# KiCad board Entrex Trapezoid Processor Board v37.kicad_pcb (continued)
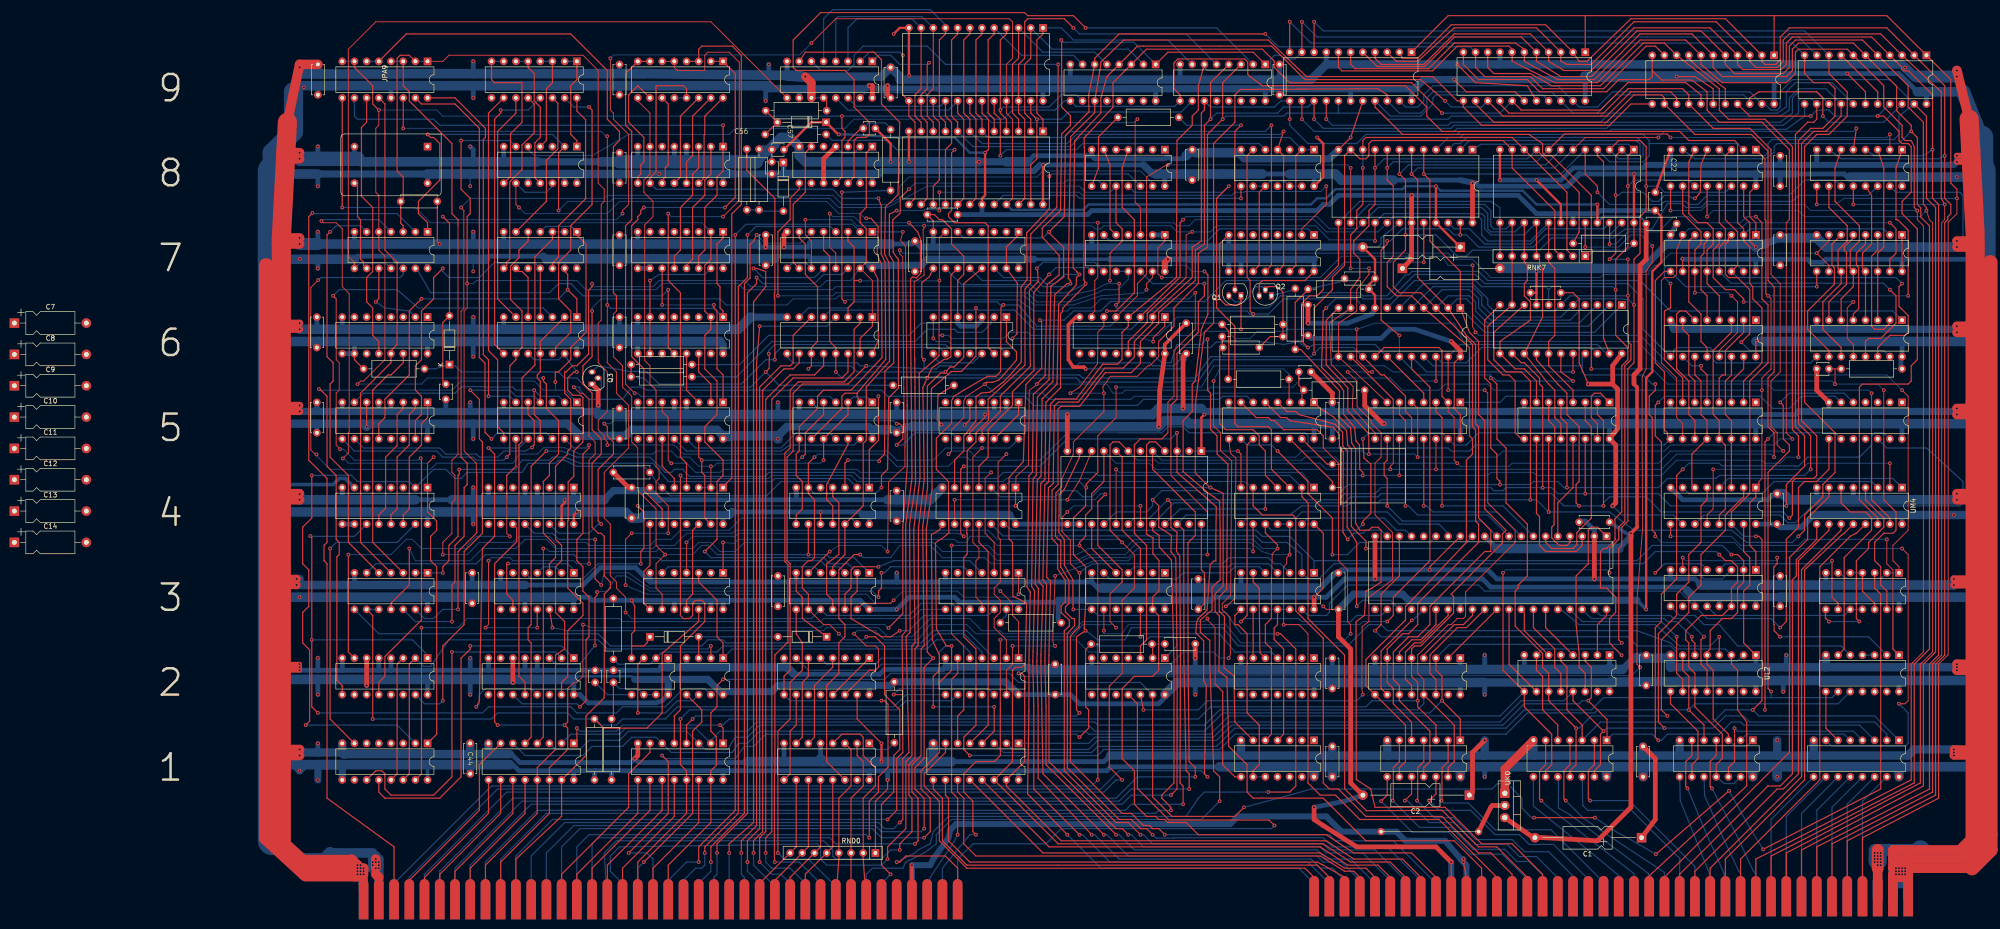
[diagram p0: board, top side]
## Routing (per net, layer and track width the routed paths; a pad name or vN(x,y) marks a point on that pad's centre or on a via; arc(x,y) is an arc through that point) (continued)
VCC: length 4082.9
  Top w0.25: v1(270.9,68.26) 272.81,70.17 272.81,81.6 UH4.14 ; UK9.17 312.81,173.67 302.65,173.67 v1(300.12,176.21) ; R3.1 253.12,113.86 253.12,123.76 R8.1 ; UL7.1 362.98,146.37 361.71,147.64 361.71,152.72 UL8.16 ; RND0.1 179.47,25.72 182,28.26 v1(182,30.16) ; 128.66,58.1 131.21,58.1 131.84,58.74 CR3.1 ; 128.66,58.1 128.66,60.63 129.3,61.28 129.3,66.36 v1(128.66,67.63) ; 128.66,58.1 UC2A1.4 ; UM9.17 385.84,173.67 v1(382.03,177.48) ; v1(346.47,176.85) 350.28,176.85 354.09,174.31 UL9.17 ; 259.48,131.13 259.48,133.67 260.11,134.3 269,134.3 270.9,136.21 ; v1(363.22,121.83) 362.98,121.58 362.98,118.43 ; UE5.5 199.15,105.27 v1(198.07,104.18) ; UJ5.16 301.38,106.36 300.12,107.63 300.12,117.16 UJ6.22 ; R25.2 194.75,111.83 192.52,110.43 192.35,105.23 193.22,104.36 v1(193.22,104.25) ; UD4.10 v1(168.03,86.04) ; C61.2 324.88,131.76 326.15,130.49 326.15,117.16 v1(328.06,112.71) ; UK8.24 R13.2 ; R24.1 70.88,117.79 UA6.10 ; 347.74,136.21 347.74,138.82 v1(347.68,138.88) ; UD7.16 179.96,134.66 180.06,121.79 UD6.16 ; UA5.6 v1(73.42,103.82) ; C39.2 248.05,66.99 248.05,73.34 247.41,73.98 UF4.24 ; UM7.1 393.46,136.21
  Top w0.5: v1(117.24,86.04) 116.6,85.41 UB4.16 ; v1(271.54,164.15) 272.81,162.88 272.81,155.89 UH8.14 ; v1(214.39,158.43) UE8.24 ; UK8.24 v1(337.58,156.53)
  Top w0.75: UF6.16 239.79,120.97 C52.1
  Top w1: 333.13,112.71 334.16,111.68 334.14,103.4 UK5.16 333.77,100.01 333.77,87.95 v1(333.13,87.31) ; 333.13,112.71 333.13,116.52 UK6.22 ; 333.13,112.71 v1(328.06,112.71) ; C19.2 182,173.04 v1(182,174.94) ; v1(270.9,68.26) UH3.14 ; v1(178.19,174.94) 178.83,174.94 UD9.16 ; v1(103.9,50.48) UB2.6 ; v1(285.51,104.46) 285.22,104.46 281.45,108.23 R2.2 ; UD8.4 168.67,159.7 UD8.10 ; v1(73.42,49.85) UA2.6 ; UJ8.24 v1(303.93,154.62) ; v1(238.52,103.82) 238.74,111.44 239.8,118.97 ; v1(299.48,121.6) 301.38,119.7 UJ6.22 ; v1(283.61,72.07) UK3.20
  Top w1.25: v1(240.43,138.75) 239.79,138.11 239.79,136.21
  Top w2: v1(75.33,11.75) v1(75.33,13.65) ; J18.75 v1(388.38,12.38) ; 75.33,10.48 75.96,9.84
  Top w2.5: 388.38,11.75 388.38,15.56
  Bottom w0.25: 208.68,84.14 UE4.14 ; 213.75,158.43 v1(214.39,158.43) ; 95.65,138.75 v1(95.65,136.21) ; 128.66,51.78 128.66,51.75 ; R8.1 251.47,125.41 C52.1 ; 158.96,139.38 158.41,138.84 ; 160.29,156.65 160.41,156.53 ; 63.05,121.39 63.26,121.6 ; 59.45,174.94 96.91,174.94 ; 63.05,104.04 62.62,104.46 ; UD8.4 172.53,160.92 174.96,160.92 UD8.2 ; 126.76,86.04 127.4,86.04 ; v1(333.13,87.31) 335.04,85.41 345.83,85.41 UL4.10 ; 408.7,155.89 409.97,157.16 ; 95.43,68.05 95.65,68.26 ; 322.98,153.99 323.61,153.99 ; 382.03,155.89 382.67,155.89 ; 98.19,138.75 98.82,139.38 ; 237.25,156.53 237.88,156.53 ; 264.98,174.31 265.19,174.31 ; 71.52,139.38 70.88,138.75 ; 393.21,118.17 393.46,118.43 ; 362.96,104.44 362.98,104.46 ; RNK7.1 327.51,139.47 328.14,139.47 329.32,140.65 336.18,140.65 R13.2 ; 154.6,138.84 154.7,138.75 156.6,138.75 C50.2 ; 53.73,157.16 53.73,160.34 ; 95.01,156.53 v1(95.01,153.99) ; v1(306.46,47.94) 306.46,48.58
  Bottom w0.5: 128.66,51.75 129.3,51.12 ; 128.66,51.78 128.64,51.75 117.24,51.75 116.6,51.12
  Bottom w0.75: UA4.7 68.97,93.03 67.7,93.03 66.44,91.76 53.73,91.76 ; UA1.16 86.12,32.7 ; 274.04,50.48 274.04,49.89 ; 228.36,138.75 212.49,138.75
  Bottom w1: 95.01,51.12 v1(95.01,47.94) ; 338.85,50.6 339.36,50.6 C43.2 ; 63.26,156.53 v1(63.26,153.99) ; v1(299.48,121.6) 291.86,124.14 286.78,124.14 284.88,122.24 270.27,122.24 C60.2 ; 362.98,138.75 347.74,138.75 ; 362.98,138.75 368.06,138.75 ; 362.98,138.75 362.98,136.21 ; 137.56,67.63 UC3.10 ; 137.56,67.63 145.18,67.63 ; 137.56,67.63 v1(128.66,67.63) 124.85,67.63 ; UL4.16 C36.2 ; C27.2 368.06,138.75 ; 368.06,138.75 373.77,138.75 374.41,138.11 376.95,138.11 377.58,138.75 409.97,138.75 ; 63.26,138.75 v1(63.26,136.84) ; UA7.14 86.12,138.75 ; 235.35,158.43 v1(214.39,158.43) ; UC7.9 UC7.10 132.47,138.75 131.21,138.75 131.11,138.84 ; 393.46,118.43 393.46,121.6 ; 322.98,153.99 305.19,153.99 304.56,154.62 ; 124.85,67.63 120.41,67.63 119.78,68.26 116.6,68.26 UB3.14 ; 124.85,67.63 R5.1 ; UM4.16 393.46,85.41 ; C34.2 183.91,85.41 ; UD2.16 178.19,49.99 178.31,49.88 ; UM8.16 393.46,155.89 ; 149.62,101.92 148.99,101.28 UC5.16 ; 326.79,176.21 327.42,176.85 UK9.22 ; 239.79,67.63 UF3.14 ; 245.5,155.26 245.5,156.53 ; 136.28,51.12 136.28,51.11 ; 63.26,51.12 v1(63.26,47.94) ; 209.31,67.22 UE3.14 ; 209.31,67.22 217.16,67.22 217.56,67.63 217.56,63.56 R27.2 ; 209.31,67.22 199.15,67.22 ; 291.86,174.31 291.23,173.67 UJ9.22 ; 209.31,32.07 227.73,32.07 228.55,32.89 251.22,32.89 ; 209.31,32.07 182,32.07 ; 209.31,32.07 UE1.16 ; UC8.16 147.72,156.53 ; 73.42,51.12 v1(73.42,49.85) ; 278.52,171.77 278.52,174.31 ; v1(306.46,47.94) 306.46,48.89 ; 368.06,68.26 C40.2 ; 393.46,136.21 393.46,138.75 ; 362.98,68.26 UL3.16 ; R6.2 124.47,31.69 124.85,32.07 ; 147.72,67.63 159.15,67.63 ; 147.72,67.63 UC3.14 ; 147.72,67.63 145.18,67.63 ; 159.15,67.63 176.29,67.63 UD3.14 v1(183.91,65.72) 186.45,68.26 195.97,68.26 197.01,67.22 199.15,67.22 ; 159.15,67.63 C38.2 ; C18.2 126.12,174.94 ; 371.24,156.53 381.39,156.53 382.03,155.89 ; 237.88,174.31 UF9.16 ; 182,32.07 v1(182,30.16) ; 182,32.07 178.19,32.07 ; v1(368.69,48.58) 368.69,50.9 ; 145.18,67.63 UC3.13 ; 178.19,32.07 UD1.16 ; 178.19,32.07 147.72,32.07 ; 199.15,67.22 UE3.10 ; 147.72,32.07 UC1.16 ; 147.72,32.07 124.85,32.07 ; C29.2 126.12,121.6 124.22,121.6 ; UA3.14 86.12,68.26 ; UA5.16 86.12,104.46 ; UL5.16 362.96,104.44 ; 156.6,174.31 v1(156.6,171.77) ; UB8.14 117.24,156.53 ; 263.7,173.04 264.98,174.31 ; 246.14,50.48 v1(246.14,47.94) ; 116.6,32.07 105.17,32.07 103.9,33.34 ; 116.6,32.07 UB1.16 ; 116.6,32.07 121.04,32.07 ; UM2.14 392.82,50.9 ; 253.12,136.21 253.12,138.75 ; 110.25,139.38 98.82,139.38 ; 86.12,51.12 UA2.16 ; UH9.16 260.75,174.31 260.11,174.31 ; 124.85,32.07 121.04,32.07 ; UB7.14 117.24,138.75 ; UM9.22 398.54,173.67 ; UD4.14 178.19,85.41 ; 121.04,32.07 120.92,31.94 R4.2 ; UB3.10 106.44,68.26 ; UA6.16 86.12,121.6 ; 306.46,48.58 306.46,50.48 ; XA8.14 86.12,156.53 ; 349.64,156.53 v1(337.58,156.53) 326.15,156.53 ; UJ5.16 301.38,104.46 ; UB8.13 114.69,156.53 ; UF8.14 239.79,156.53 ; C23.2 368.06,156.53 ; UM5.14 393.46,104.46 ; 246.77,67.63 C39.2 ; UL2.16 362.98,50.84 ; 239.79,47.31 238.52,46.04 222.01,46.04 220.11,47.94 C41.2 UE2.14 ; 366.79,176.85 UL9.22 ; 95.65,104.46 v1(95.65,101.28) ; 103.9,51.12 v1(103.9,50.48) ; UD8.14 178.83,156.53 ; UC7.16 147.72,138.84 ; 392.82,68.26 UM3.14 ; UA6.9 UA6.10 70.88,121.6 ; 369.33,176.85 369.96,177.48 v1(382.03,177.48) 392.82,177.48 396.63,173.67 ; C30.2 126.76,101.92 ; UE7.16 209.31,138.75 ; C48.2 274.71,104.46 ; 177.6,174.35 176.97,174.35 ; CR4.1 160.29,156.65 ; 95.65,86.04 v1(95.65,83.5) ; UC4.14 147.72,85.41 ; UB6.14 117.24,121.6 ; 79.77,138.75 79.14,139.38 71.52,139.38 ; 332.5,50.54 UK2.16 ; C28.2 63.05,121.39 ; 181.41,174.35 v1(182,174.94) 182.59,174.35 ; 207.41,85.41 208.68,84.14 ; 348.19,70.36 307.74,70.36 306.02,72.07 v1(283.61,72.07) 277.25,72.07 273.44,68.26 v1(270.9,68.26) 249.95,68.26 249.31,67.63 ; UD9.10 163.59,174.31 ; 158.96,139.38 165.5,139.38 166.13,138.75 ; UD7.16 176.93,138.75 ; UD5.14 178.83,103.19 ; 266.46,174.31 265.19,174.31 ; C49.2 63.05,104.04 ; UC6.9 129.94,121.6 ; 178.78,174.35 v1(178.19,174.94) ; UH5.16 270.9,104.46 ; UL8.16 362.98,156.53 ; UE4.14 UF4.13 UF4.14 ; C37.2 95.43,68.05 ; 116.6,51.12 UB2.16 117.87,47.94 119.59,46.23 133.75,46.23 135.01,46.67 UC2A1.8 ; 301.38,50.48 UJ2.16 ; 187.72,136.21 187.72,137.48 ; 95.65,174.94 v1(95.65,172.4) ; UB8.10 107.07,156.53 ; 270.9,136.21 270.9,138.75 ; UH8.14 270.9,156.53 ; 214.39,174.31 UE9.24 ; 255.67,136.21 255.67,138.75 ; 149.62,86.04 v1(168.03,86.04) 176.29,86.04 176.93,85.41 ; 287.42,155.26 301.38,155.26 ; C20.2 126.12,156.53 ; UK5.16 332.5,104.46 ; 393.21,116.27 393.21,118.17 ; UD8.13 176.29,156.53 ; C17.2 63.26,174.94 ; 270.9,50.48 UH2.14 ; UD8.10 168.67,156.53 ; UA4.16 86.12,86.04 ; JPA9.13 78.5,174.94 ; 95.65,121.6 v1(95.65,118.43) ; 274.04,49.89 C42.2 ; 355.36,68.26 UL3.13 ; 260.11,156.53 265.82,156.53 ; 306.46,32.89 v1(306.46,30.8)
  Bottom w1.25: C36.2 368.06,82.87 372.5,82.87 375.05,85.41 ; 244.87,138.75 v1(240.43,138.75) 228.36,138.75 ; 192.75,174.35 182.59,174.35 ; 213.75,158.43 212.49,157.16 180.74,157.16 180.1,156.53 ; 301.38,155.26 304.56,154.62 ; 157.24,174.94 156.6,174.31 ; 181.41,174.35 178.78,174.35 ; v1(178.19,174.94) 177.6,174.35 ; 323.61,153.99 326.15,156.53
  Bottom w1.5: 129.3,51.12 144.54,51.12 146.76,48.89 ; 235.35,158.43 237.25,156.53 ; 178.83,103.19 178.19,103.82 161.05,103.82 ; 136.28,51.11 UC2A1.8 ; 178.31,49.88 182.67,49.88 R12.1 206.64,50.61 UE2.14 ; 217.56,67.63 249.31,67.63 ; 270.9,138.75 244.87,138.75 ; UC6.16 147.72,120.97 147.08,121.6 ; 55.96,33.34 59.13,33.34 ; 166.13,138.75 176.93,138.75 ; 212.49,138.75 190.26,138.75 188.99,137.48 178.19,137.48 ; 176.93,174.31 156.6,174.31 ; 60.08,32.7 v1(59.45,32.07) 58.81,32.7 ; 349.64,156.53 371.24,156.53 ; 146.76,48.89 147.08,48.58 157.88,48.58 159.15,49.85 160.56,49.99 178.19,49.99 ; 146.76,48.89 UC2B1.8 ; 95.01,32.77 C44.2 ; 260.75,174.31 291.86,174.31 293.76,176.21 v1(300.12,176.21) 326.79,176.21 ; 192.8,174.31 260.11,174.31 ; 160.41,156.53 C57.2 149.62,156.53 ; 63.26,32.7 v1(63.26,30.16) ; 110.25,139.38 110.88,138.75 ; 68.34,32.7 UA1.9 ; 182.64,103.19 183.28,103.19 C31.2 184.54,103.19 185.18,103.19 185.81,103.82 187.09,103.82 ; 86.12,156.53 63.26,156.53
  Bottom w1.75: 100.09,156.53 v1(134.38,156.53) 149.62,156.53 ; 160.41,156.53 180.1,156.53 ; 117.87,101.92 117.24,101.92 ; 117.87,101.92 115.33,104.46 74.06,104.46 v1(73.42,103.82) 72.78,104.46 53.73,104.46 ; 117.87,101.92 127.4,101.92 128.66,103.19 146.44,103.19 147.72,101.92 UC5.16 ; 149.62,86.04 148.99,85.41 131.21,85.41 130.57,84.77 ; 375.05,85.41 v1(404.25,85.41) 409.97,85.41 ; 332.5,50.54 326.79,50.48 306.46,50.48 ; 368.06,68.26 350.07,68.26 348.59,69.75 ; 161.05,103.82 159.15,101.92 ; 176.93,85.41 207.41,85.41
  Bottom w2: 70.88,138.75 53.73,138.75 ; 53.73,86.04 v1(117.24,86.04) 126.76,86.04 ; 98.19,138.75 79.77,138.75 ; 362.35,32.89 UL1.14 ; 362.35,32.89 367.43,32.89 ; 362.35,32.89 339.49,32.89 ; 116.6,51.12 53.73,51.12 ; 306.46,50.48 242.33,50.48 UF2.14 ; 408.7,155.89 v1(404.89,155.89) 382.67,155.89 ; 367.43,32.89 v1(367.43,30.8) 367.43,31.43 ; 367.43,32.89 392.82,32.89 ; 116.6,68.26 v1(59.45,68.26) 53.73,68.26 ; 406.16,173.67 396.63,173.67 ; 331.87,32.89 UK1.14 ; 331.87,32.89 339.49,32.89 ; 331.87,32.89 301.38,32.89 ; 392.82,32.89 UM1.16 ; 392.82,32.89 410.16,32.89 ; 301.38,32.89 UJ1.14 ; 301.38,32.89 274.71,32.89 ; 265.82,156.53 275.35,156.53 276.62,155.26 287.42,155.26 ; 237.88,156.53 260.11,156.53 ; 182.64,103.19 178.83,103.19 ; 153.43,138.84 129.3,138.84 ; 153.43,138.84 154.6,138.84 ; 153.43,138.84 158.41,138.84 ; J17.3 v1(75.96,13.02) ; 251.22,32.89 270.9,32.89 ; 270.9,32.89 UH1.14 ; 270.9,32.89 274.71,32.89 ; 74.69,14.92 65.8,14.92 ; 86.12,156.53 100.09,156.53 ; 339.49,32.89 C46.2 ; 368.06,68.26 409.97,68.26 ; 129.3,138.84 131.11,138.84 ; 129.3,138.84 115.43,138.84 115.33,138.75 110.88,138.75 ; 409.97,121.6 362.98,121.6 ; 74.69,11.75 v1(74.69,12.38) ; 53.73,121.6 147.08,121.6 ; 274.71,32.89 C45.2 ; 187.09,103.82 187.14,103.88 199.73,103.88 199.78,103.82 v1(238.52,103.82) 239.79,105.09 244.24,105.09 244.87,104.46 v1(285.51,104.46) 409.97,104.46 ; 130.57,84.77 C33.2 127.4,86.04 ; 63.26,156.53 54.37,156.53 ; 75.33,14.29 v1(75.33,13.65) 74.69,13.65 v1(74.69,13.02) v1(75.33,13.02) 75.96,13.65 ; v1(159.15,101.28) 159.15,101.92 147.72,101.92 ; J18.75 v1(388.38,12.38) ; 58.18,173.67 59.45,174.94 157.24,174.94 ; 63.26,33.34 68.34,33.34 ; 75.33,12.38 v1(75.96,12.38) ; 52.47,33.34 86.12,33.34 ; 86.09,33.34 103.26,33.34 ; 332.5,50.54 362.98,50.84 368.69,50.9 409.97,50.9
  Bottom w2.25: 327.42,176.85 v1(346.47,176.85) 369.33,176.85
  Bottom w2.5: v1(387.75,13.02) v1(387.75,13.65) v1(387.75,14.29) ; 65.8,14.92 64.53,13.65 57.55,13.65 53.73,17.46 ; 389.01,15.56 397.27,15.56 ; v1(389.01,14.29) v1(388.38,14.29) v1(388.38,13.65) ; v1(389.01,13.02) v1(389.01,13.65) ; v1(387.75,14.92) 387.75,15.56
  Bottom w3: 409.97,164.15 406.16,173.67
  Bottom w4: 58.18,173.67 58.18,165.37 53.73,160.92 53.73,157.16 ; 397.27,15.56 399.18,13.65 405.52,13.65 409.97,18.1
  Bottom w5: 409.97,157.16 409.97,164.15
  Bottom w6: 53.73,17.46 53.73,157.16 ; 409.97,157.16 409.97,18.1
  vias: v1(59.49,138.82) v1(60.34,174.58) v1(75.96,11.75) v1(388.38,14.92) v1(388.38,13.02) v1(389.01,14.92) v1(389.01,12.38)
VDD: length 553.5
  Top w0.2: C32.2 273.44,65.72 v1(272.81,66.36) ; UH5.9 253.49,98.27 254.6,97.3 254.42,68.06 252.71,66.36 v1(252.49,66.36)
  Top w0.25: J18.19 v1(299.48,13.02) ; UE9.19 201.69,169.23 203.05,167.87 203.05,161.61 202.96,161.61 v1(202.32,160.97)
  Top w0.5: UE8.19 201.69,151.45 202.32,152.08 v1(202.32,160.97) ; v1(171.84,164.78) 171.72,164.78 CR6.1 166.13,167.32 C56.2 ; C22.2 343.3,147.64 343.3,138.11 341.39,136.21 341.39,115.25 340.12,113.98 v1(340.12,65.72)
  Top w1: C32.2 275.99,60.01 278.52,57.47 278.52,29.53 C2.2 ; v1(291.23,152.08) UJ8.19 291.23,138.75 C16.1 ; v1(270.9,24.45) 270.9,21.91 272.81,20.64 279.8,16.19 296.31,16.19 v1(299.48,13.02)
  Bottom w0.2: v1(252.49,66.36) 253.12,66.99 272.18,66.99 v1(272.81,66.36)
  Bottom w0.5: v1(171.84,164.78) 173.75,164.78 184.54,164.15 195.97,164.15 199.15,160.97 v1(202.32,160.97)
  Bottom w0.75: 338.21,67.63 v1(340.12,65.72)
  Bottom w1: 324.88,148.27 317.26,148.27 313.45,152.08 v1(291.23,152.08) 275.99,152.08 274.08,150.18 272.81,150.18 271.54,148.91 224.55,148.91 223.7,148.06 201.69,148.06 ; 324.88,148.27 329.96,148.27 330.6,148.91 C22.2 ; 324.88,148.27 UK8.19 ; C47.2 201.69,148.06 ; 201.69,148.06 UE8.19 ; v1(270.9,24.45) 277.25,25.72 C2.2 ; UK3.28 301.38,67.63
  Bottom w1.25: v1(299.48,13.02) J18.19
  Bottom w1.5: 338.21,67.63 290.59,67.63 289.32,68.9 279.16,68.9 C32.2
(no net):
  vias: v1(72.15,10.48) v1(180.1,151.45) v1(302.02,13.02)
8080-INT: length 46.7
  Bottom w0.25: UH4.8 256.94,84.77 267.1,84.77 268.37,86.04 286.14,86.04 288.69,83.5 296.94,83.5 298.85,81.6 UK3.14
/CR4_2: length 7.7
  Bottom w0.25: CR4.2 155.46,148.78 R20.2 R21.2
/Three-Resistors: length 7
  Top w0.25: R19.1 CR6.2 R18.1
/UC5_11: length 11.2
  Top w0.25: UC4.5 137.56,93.03 135.01,95.57 UC5.11
D0: length 40
  Top w0.25: UJ5.10 286.14,96.84 285.51,96.2 285.51,93.66 286.14,93.03 v1(286.14,87.31)
  Bottom w0.25: UK3.10 305.83,84.14 289.32,84.14 v1(286.14,87.31)
D1: length 46.3
  Top w0.25: UJ5.6 288.69,106.36 289.95,105.09 v1(289.95,87.31)
  Bottom w0.25: UK3.9 307.1,85.41 292.5,85.41 290.59,87.31 v1(289.95,87.31)
D2: length 36.9
  Top w0.25: v1(293.76,87.31) UJ5.13
  Bottom w0.25: v1(293.76,87.31) 294.4,87.31 295.67,86.04 309,86.04 314.08,80.96
D3: length 43.8
  Top w0.25: 297.36,87.37 297.57,87.59 297.57,105.73 296.31,107 UJ5.3
  Bottom w0.25: v1(297.57,87.31) 310.27,87.31 UK3.7
D4: length 34.3
  Top w0.25: UK5.10 317.26,85.72 317.89,85.09 317.89,79.06 319.17,77.79 325.51,77.79 326.79,79.06 UK3.3
D5: length 35
  Top w0.25: UK3.4 324.25,79.69 323.61,79.06 322.02,79.06 320.44,80.64 320.44,82.87 320.93,83.36 321.07,101.75 321.07,103.82 319.8,105.09 UK5.6
D6: length 21.6
  Top w0.25: UK3.5 321.7,87.95 324.88,91.12 UK5.13
D7: length 40.1
  Top w0.25: UK5.3 327.42,105.09 328.69,103.82 328.69,84.77 325.66,81.74 325.66,79.2 324.88,78.42 320.44,78.42 319.17,79.69 UK3.6
E6_2: length 69
  Bottom w0.25: R23.2 150.51,114.24 157.88,121.6 187.72,121.6 190.26,124.14 195.97,124.14 196.61,123.51 201.69,123.51 203.59,125.41 203.59,126.05 UE6.2
E6_6: length 56.9
  Bottom w0.25: R22.2 151.14,116.78 157.24,122.87 186.45,122.87 188.99,125.41 192.8,125.41 UE6.6
E6_9: length 126.3
  Top w0.25: v1(158.51,117.79) 158.51,130.49 158.42,130.58 158.42,131.67 158.51,131.76 158.51,151.45 152.67,157.29 R21.1
  Bottom w0.25: UE6.9 192.8,120.33 159.78,120.33 158.51,119.06 v1(158.51,117.79) 156.6,117.79 151.53,112.71 134.38,112.71 131.73,115.36 128.07,115.36 121.68,116.52 Q3.3
E6_12: length 12.1
  Bottom w0.25: UE6.12 199.78,117.16 192.8,117.16 191.53,118.43 UE6.8
E6_13: length 78.9
  Top w0.25: v1(195.97,161.61) 195.34,160.97 195.34,148.91 194.71,148.27 194.71,147.64 195.97,146.37 202.32,146.37 202.96,145.73 202.96,120.33 UE6.13
  Bottom w0.25: v1(195.97,161.61) 183.91,161.61 181.95,163.57 170.63,163.57 170.57,163.51 170.45,163.51 R19.2
E6_14: length 116.1
  Top w0.25: R23.1 R22.1 ; v1(157.24,119.06) 157.33,118.97 157.33,115.98 v1(156.6,115.25)
  Bottom w0.25: R25.1 159.4,112.46 v1(156.6,115.25) 153.43,112.08 133.11,112.08 131.21,113.98 129.94,113.98 129.68,114.24 R23.1 ; UE6.14 205.5,120.33 194.71,120.33 194.07,120.97 158.51,120.97 157.24,119.7 v1(157.24,119.06)
J4_1: length 13.8
  Top w0.25: YJ4.1 274.71,92.39 UH5.14
J4_2: length 8.5
  Top w0.25: YJ4.2 273.62,96.02 UH5.15
J17_5: length 176.3
  Top w0.25: J17.5 79.14,16.19 65.17,26.35 65.17,75.25 64.53,75.88 64.53,79.06 65.17,79.69 65.17,93.03 61.36,96.84 61.36,147.64 62.11,148.39 v1(62.11,148.4)
  Bottom w0.25: 61.99,148.27 79.77,148.27 UA7.2
J17_6: length 667.5
  Top w0.2: v1(222.01,79.06) 225.82,75.25 225.82,49.85 ; v1(288.69,93.66) UJ5.11
  Top w0.25: 281.06,94.39 281.06,93.66 ; 371.87,98.11 371.87,101.92 370.6,103.19 370.6,162.24 364.88,167.96 357.26,167.96 355.36,169.86 355.36,174.31 UL9.9 343.93,183.83 339.49,183.83 330.6,174.94 320.44,174.94 315.99,177.48 308.37,177.48 307.1,178.75 UK9.9 ; 280.98,94.39 280.43,94.93 280.35,100.02 279.63,100.86 279.34,103.69 277.02,106.45 277.07,111.26 276.67,111.9 276.27,112.44 272.47,116.18 272.81,127.95 v1(273.44,128.59) ; v1(225.82,30.16) 225.82,49.85 ; UC3.1 v1(147.72,79.69) ; v1(222.01,79.06) 222.01,79.69 223.28,80.96 223.28,85.41 224.55,86.68 224.55,89.85 227.09,92.39 UF4.9 ; 371.87,98.2 v1(371.87,97.47)
  Bottom w0.2: 227.87,97.96 229.63,96.2 236.62,96.2 237.88,94.93 272.18,94.93 273.44,93.66 281.04,93.66 v1(281.05,93.65) 281.06,93.66 v1(288.69,93.66) 307.1,93.66 307.74,94.3 316.62,94.3 317.26,93.66 343.3,93.66 346.47,96.84 364.25,96.84 364.88,96.2 368.06,96.2 369.33,97.47 v1(371.87,97.47) ; v1(222.01,79.06) 204.87,79.06 202.96,80.96 199.15,80.96 198.51,79.69 196.61,79.69 195.97,80.33 150.89,80.33 150.06,79.5 v1(147.72,79.69)
  Bottom w0.25: v1(225.82,30.16) 224.55,28.89 99.46,28.89 79.14,8.57 J17.6 ; UJ6.9 279.8,130.49 275.35,130.49 v1(273.44,128.59) ; UF4.9 227.87,97.96
J17_7: length 40.9
  Top w0.25: J17.7 82.31,9.21 96.91,23.81 96.91,33.34 UB1.7
J17_8: length 714.4
  Top w0.2: v1(197.88,80.96) 197.25,81.6 197.25,89.43 197.25,89.22 ; 369.96,147 369.33,146.37 369.33,102.55 v1(370.6,101.28) ; v1(292.5,97.47) 292.5,107.63 UJ5.5 ; v1(140.09,79.69) UC3.4
  Top w0.25: 341.39,178.12 343.38,176.12 349.64,176.12 352.82,173.67 352.82,169.86 355.36,167.32 364.25,167.32 369.96,161.61 369.96,147 ; 341.39,178.12 UL9.11 ; 341.39,178.12 341.39,176.85 340.75,176.21 334.4,176.21 331.87,173.67 317.89,173.67 315.36,176.21 305.19,176.21 302.02,179.39 UK9.11 ; v1(282.33,98.11) 282.28,102.34 277.82,107.25 277.93,107.36 277.93,111.94 273.42,116.73 273.44,126.05 UJ6.11 ; v1(248.68,30.8) 248.05,31.43 248.44,49.81 247.88,50.86 247.9,58.37 247.9,59.15 246.26,60.79 246.4,62.99 246.74,63.78 248.6,65.6 249.25,75.08 249.97,75.8 250.43,75.8 250.43,80.94 250.52,87.13 242.33,94.3 UF4.3 v1(242.33,102.55) ; v1(197.88,95.57) 197.25,94.93 197.25,89.22
  Bottom w0.2: v1(140.09,79.69) 141.37,80.96 150.25,80.96 150.89,81.6 196.61,81.6 v1(197.88,80.96) ; 243.11,97.96 243.6,97.47 267.1,97.47 268.37,98.74 281.06,98.74 281.7,98.11 v1(282.33,98.11) 291.86,98.11 v1(292.5,97.47) 309,97.47 310.27,98.74 343.93,98.74 345.2,100.01 366.79,100.01 368.06,101.28 v1(370.6,101.28)
  Bottom w0.25: J17.8 82.31,9.84 100.72,28.26 226.45,28.26 230.26,32.07 247.41,32.07 v1(248.68,30.8) ; UF4.3 243.11,97.96 ; v1(242.33,102.55) 241.06,101.28 219.47,101.28 213.75,95.57 v1(197.88,95.57)
J17_9: length 30.9
  Top w0.25: UB1.9 98.82,23.18 85.49,9.84 J17.9
J17_10: length 717.2
  Top w0.2: 287.42,106.36 287.42,96.2 286.78,95.57 v1(286.78,94.93) ; v1(296.31,94.93) UJ5.14 ; 228.36,49.85 230.9,52.39 230.9,67.63 233.44,70.17 233.44,77.15 v1(230.9,79.69)
  Top w0.25: 287.42,106.36 287.42,107 287.42,107 287.42,109.53 UJ6.13 ; v1(366.79,97.47) 366.79,102.55 365.52,103.82 365.52,113.98 366.79,115.25 366.79,133.03 365.52,134.3 365.52,161.32 362.06,164.78 350.28,164.78 UL9.13 343.93,172.4 343.3,173.04 337.58,173.04 331.87,167.32 308.37,167.32 304.56,171.13 UK9.13 ; v1(230.9,79.69) 228.36,82.23 228.36,100.01 229,100.65 230.26,100.65 UF4.7 ; v1(230.9,30.16) 228.21,32.85 228.21,49.7 228.36,49.85 ; UA3.11 78.5,66.99 82.31,70.8 v1(82.31,78.42)
  Bottom w0.2: v1(366.79,97.47) 366.15,98.11 346.47,98.11 343.3,94.93 v1(296.31,94.93) v1(286.78,94.93) 273.44,94.93 272.18,96.2 238.52,96.2 237.88,96.84 234.07,96.84 232.95,97.96 ; v1(230.9,79.69) 230.26,80.33 204.87,80.33 202.96,82.23 150.25,82.23 149.62,81.6 140.09,81.6 137.56,79.06 133.75,79.06 133.11,78.42 112.79,78.42 110.88,80.33 106.44,80.33 104.53,78.42 97.55,78.42 95.01,75.88 83.58,75.88 v1(82.31,78.42)
  Bottom w0.25: v1(230.9,30.16) 229.63,30.16 227.09,27.62 102.63,27.62 85.49,10.48 J17.10 ; UF4.7 232.95,97.96
J17_11: length 30.7
  Top w0.25: UB1.10 101.36,23.18 88.66,10.48 J17.11
J17_12: length 551.8
  Top w0.2: v1(368.69,98.74) 367.43,100.01 367.43,102.55 366.15,103.82 366.15,113.35 368.06,115.25 368.06,133.67 366.15,135.57 366.15,146.58 ; v1(300.75,96.2) 300.12,96.84 300.12,105.73 298.85,107 UJ5.2 ; 298.85,108.3 299.15,108.6
  Top w0.25: v1(246.14,30.8) 246.14,32.7 244.87,33.97 244.64,55.03 244.61,79.64 246.14,81.12 246.14,86.04 237.25,94.93 UF4.5 ; UK9.15 309.64,171.13 311.55,169.23 331.23,169.23 336.31,174.31 347.74,174.31 349.01,173.04 UL9.15 354.09,166.05 361.71,166.05 366.15,161.61 366.15,146.37 ; UJ6.15 285.51,120.33 296.94,120.33 297.57,119.7 297.57,110.17 UJ5.2
  Bottom w0.2: 238.03,97.96 239.15,96.84 268.37,96.84 269,97.47 275.35,97.47 276.62,96.2 v1(300.75,96.2) 301.38,95.57 311.55,95.57 312.18,96.2 342.66,96.2 345.2,98.74 v1(368.69,98.74)
  Bottom w0.25: J17.12 88.66,11.11 103.9,26.35 229.63,26.35 234.07,30.8 v1(246.14,30.8) ; UF4.5 238.03,97.96
J17_13: length 30.4
  Top w0.25: J17.13 91.84,11.11 103.9,23.18 UB1.11
J17_14: length 651.4
  Top w0.25: UM9.9 378.22,177.48 382.03,173.67 382.03,168.59 378.22,164.78 375.68,164.78 373.14,162.24 373.14,108.9 379.49,102.55 379.49,94.3 376.95,91.76 376.95,89.22 373.14,85.41 373.14,82.23 v1(371.87,80.96) ; UK5.11 v1(319.8,86.04) ; v1(315.99,88.58) 315.99,113.35 314.08,115.25 310.91,115.25 308.37,117.79 308.37,123.51 UK6.9 ; 270.9,181.93 v1(270.9,188.28) ; v1(244.87,28.26) 244.87,31.43 244.24,32.07 243.77,54.87 243.74,76.75 243.72,82.29 UF4.22
  Bottom w0.25: UF4.22 244.24,85.41 265.82,85.41 268.37,87.31 277.89,87.31 278.52,87.95 284.24,87.95 284.88,88.58 v1(315.99,88.58) 317.26,88.58 v1(319.8,86.04) 332.5,86.04 337.58,82.23 357.9,82.23 361.07,79.69 370.6,79.69 v1(371.87,80.96) ; v1(270.9,188.28) 272.81,186.37 373.14,186.37 UM9.9 ; J17.14 91.84,11.75 105.81,25.72 230.26,25.72 232.81,28.26 v1(244.87,28.26)
J17_15: length 30.1
  Top w0.25: J17.15 95.01,11.75 106.44,23.18 UB1.12
J17_16: length 650.1
  Top w0.25: v1(309.64,91.76) 309.64,92.48 309.55,92.48 309,93.03 309,98.11 307.74,99.38 307.74,112.71 306.46,113.98 306.46,126.05 UK6.11 ; v1(374.41,94.93) 374.41,101.92 371.87,104.46 371.87,163.51 374.41,166.05 376.95,166.05 379.49,168.59 379.49,174.31 378.22,175.58 375.05,175.58 373.14,177.48 UM9.11 ; v1(323.61,91.12) 323.61,104.46 322.34,105.73 UK5.5 ; v1(237.25,88.58) 238.52,87.31 238.53,82.88 239.5,82.26 241.17,81.16 241.06,77.74 242.08,76.43 242.36,54.9 242.33,28.26 v1(241.06,26.99) ; 265.82,181.93 v1(265.82,188.28)